# Allegro board MCU.brd (continued)
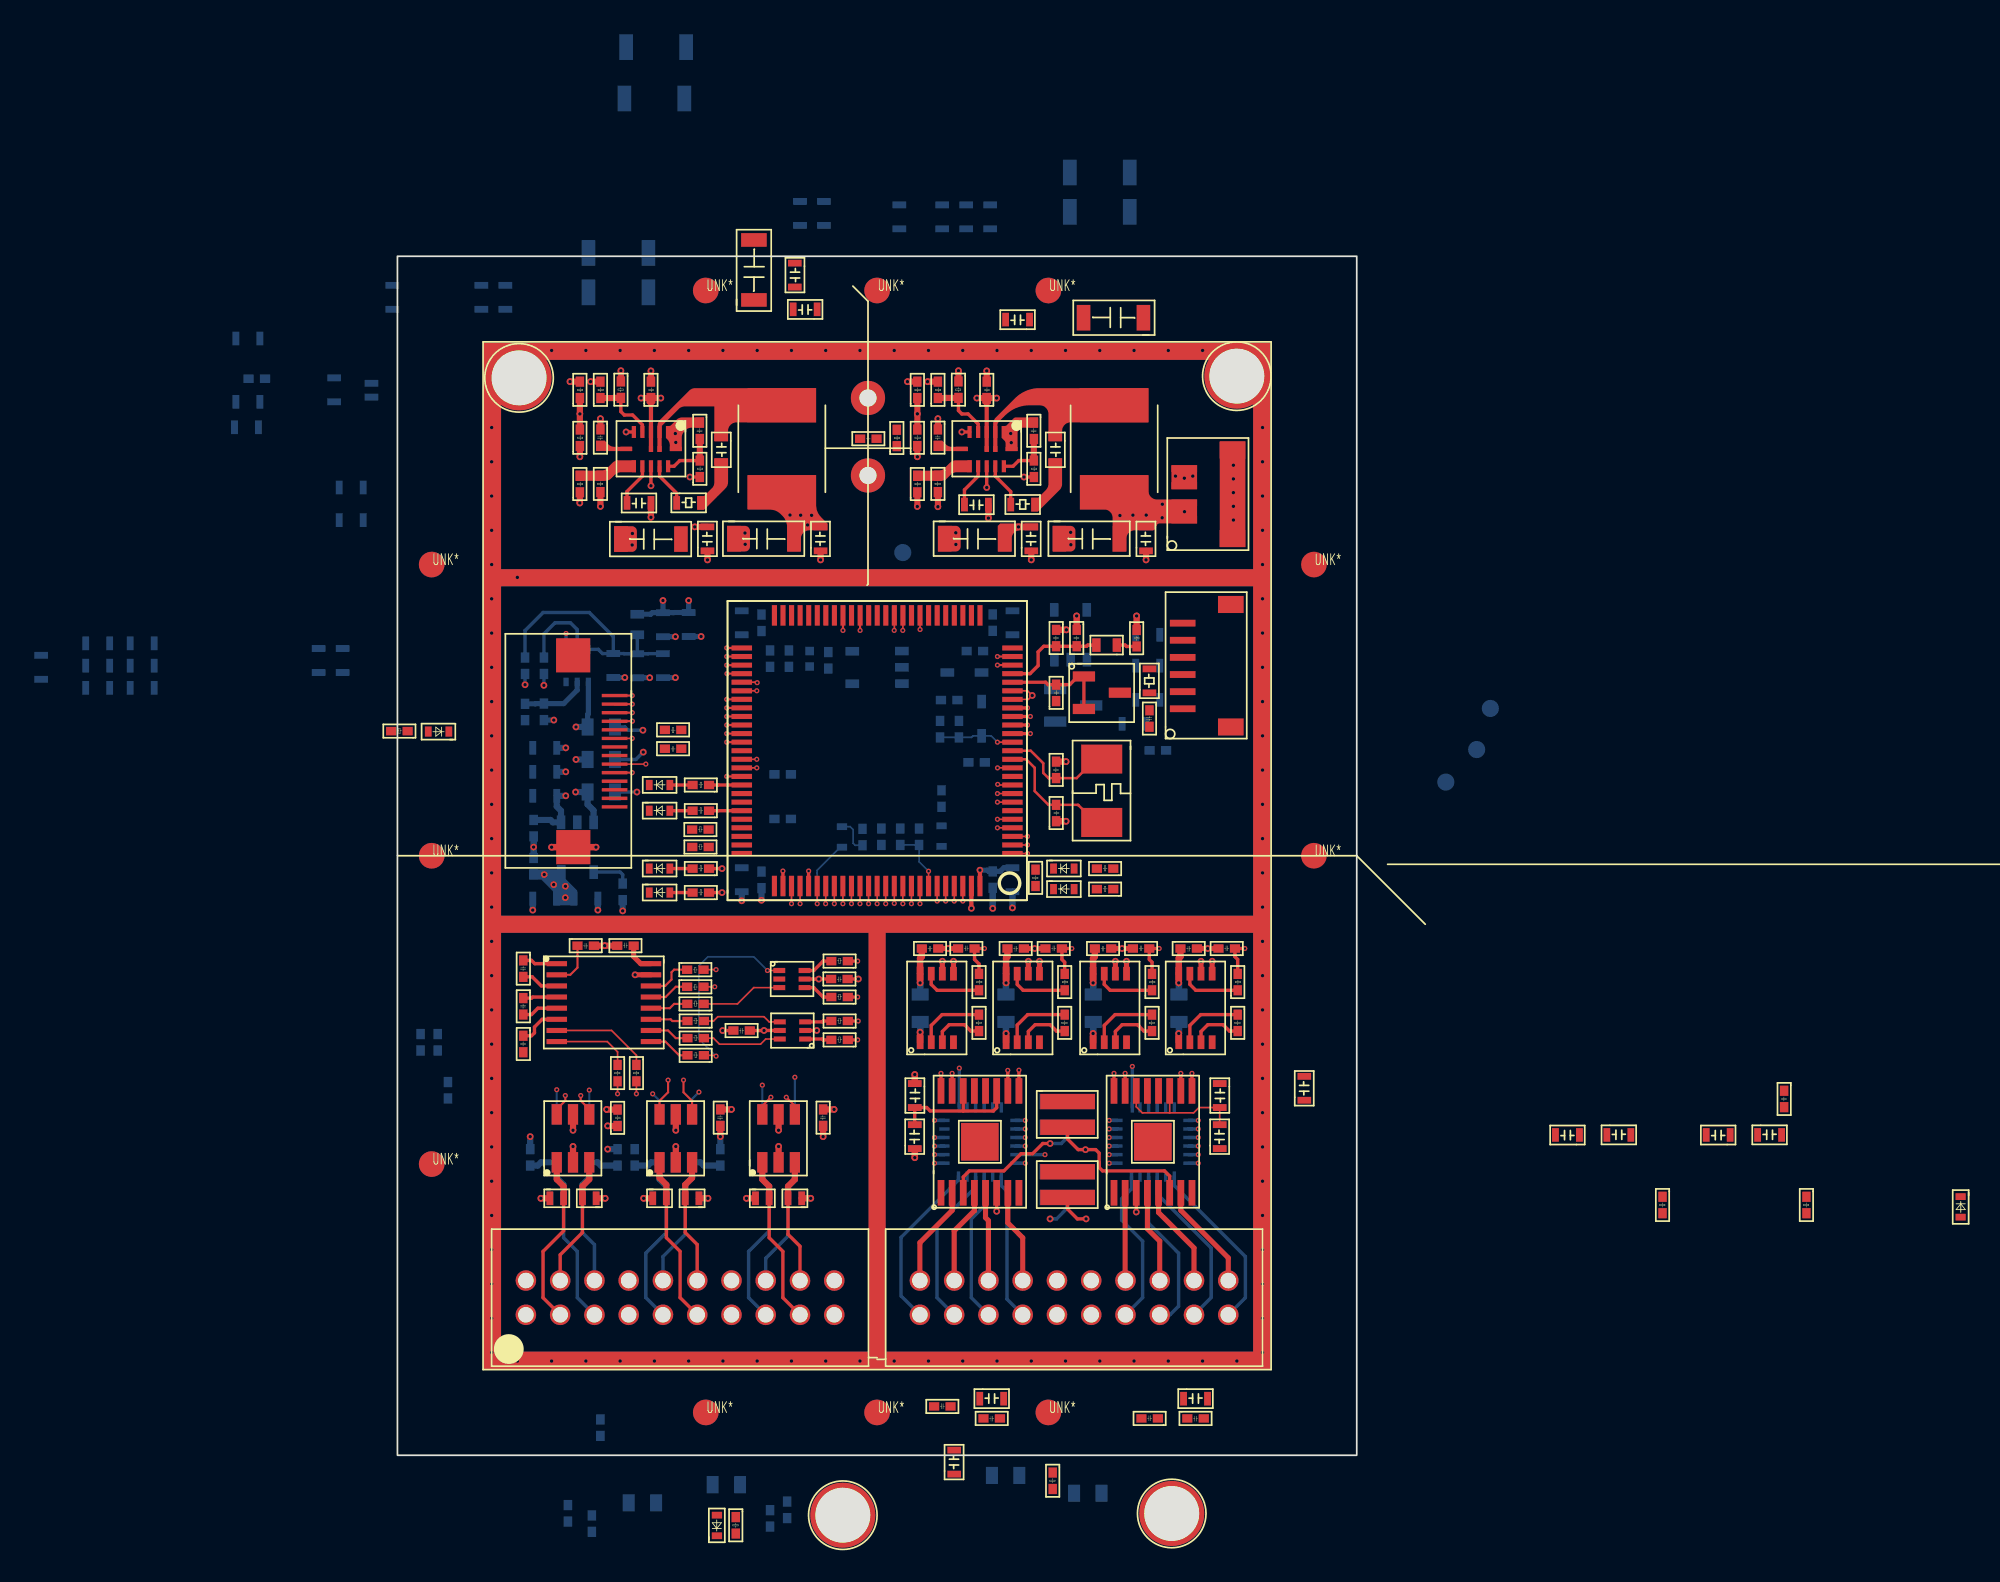
[diagram p0: board, top side]
## Nets (continued)
N8197078: C89.2 R87.2
N8197098: C89.1 L8.1 U12.2 U12.13
N8197146: R61.2 R62.1 U12.4
N8197148: R51.1 R52.2 U12.9
N8197154: C76.2 U12.8
N8197166: R70.2 R76.1 U12.7
N8197176: C85.2 R60.2 U12.11
N8197182: C70.2 U12.6
N8197194: R60.1 U12.5
N8449814: R317.2 U38.5(\PG\)
N8449940: R315.1 R316.2 U38.2
N8934237: D56.2 R379.1
N9041352: D42.2 R327.1
N9050029: R324.2 U41.3
N9050033: R346.1 U41.4
N9050041: R332.2 U41.1
N9050045: R348.1 U41.6
N9050708: R331.2 U42.4
N9050712: R334.1 U42.3
N9050720: R338.2 U42.6
N9050724: R349.1 U42.1

Pads without a net: U19 41 73; U28 16; U48 16

## Via types
v1: diameter 0.3, hole 0.15, TOP to BOTTOM, 125 vias
v2: diameter 0.4, hole 0.2, TOP to BOTTOM, 265 vias

## Routing (per net, layer and track width the routed paths; a pad name or vN(x,y) marks a point on that pad's centre or on a via; arc(x,y) is an arc through that point)
3V3_MCU: length 21.4
  TOP w0.1: U19.11 v1(35.03,40.13)
  TOP w0.2: L17.1 42.48,47.3 42.56,47.22 C162.1 ; C515.2 21.39,24.8 v2(21.4,24.8) U41.5 ; C539.1 24.61,27.8 v2(24.6,27.8) U42.5
  TOP w0.25: U19.100 v2(34,34.16)
  TOP w0.3: U47.16 14.2,28.7 13.79,29.11 C591.1
  TOP w0.36: U53.5 v2(22.25,18.97) ; v2(12.27,19.23) 12.28,19.22 C553.1 ; U50.5 v2(16.25,18.97) ; C609.2 v2(18.85,18.6) ; C610.2 v2(24.85,18.6) ; U51.5 v2(10.25,18.97)
  BOTTOM w0.3: v2(34,34.16) 34.44,34.16 34.51,34.09 C136.1 35.19,34.09 35.4,34.3 C137.1
  BOTTOM w0.36: C606.2 v2(12.27,19.23) ; U50.5 v2(16.25,18.97) ; U51.5 v2(10.25,18.97) ; C609.2 v2(18.85,18.6) R378.2 ; R189.2 v2(12.27,17.87) ; R187.2 v2(7.75,18.6) ; U53.5 v2(22.25,18.97) ; C610.2 v2(24.85,18.6)
  vias: v2(8.57,33.9) v2(9.12,33.31) v2(9.8,33.22) v2(9.8,32.56)
3V3_MCU_A: length 6.1
  TOP w0.2: L17.2 40.3,47.3 40.23,47.23 C142.2 C141.2 37.73,47.23 37.4,46.9 37.4,46.1 36.93,45.63 U19.22
5V5_MCU_IN: length 15.2
  BOTTOM w0.2: R308.2 7.45,48.15 8.5,49.2 11.2,49.2 12.6,47.8 12.6,46.8 ; C461.2 14.63,46.79 14.63,46.8 C466.2 ; C461.2 L13.2 ; C461.2 13.24,46.79 13.23,46.8 12.6,46.8 ; U38.4 v1(9.84,47.98) ; 12.6,46.8 11.97,46.8 11.73,47.05 U38.6
5V5_MCU_PWR: length 6.9
  TOP w0.36: C423.2 v2(17.36,54.2) ; R75.2 v2(11.85,55.4) ; C75.1 v2(14.8,54.76)
  BOTTOM w0.3: C437.2 14.87,49.19 14.78,49.1 L13.1 ; C437.2 v2(15.5,49.9) ; C437.2 16.13,49.19 16.14,49.2 C427.2 v2(17,49.9)
  vias: v2(22.91,54.89) v2(23.54,54.88) v2(23.94,54.31) v2(24.18,54.88)
5V_MCU: length 24.3
  TOP w0.38: v2(30.51,27.58) U45.8 30.51,29.01 30.61,29.11 C572.1 ; v2(40.61,27.58) U43.8 40.61,29.01 40.71,29.11 C570.1 ; v2(45.61,27.58) U44.8 45.61,29.01 45.71,29.11 C568.1 ; C566.1 35.61,29.11 35.53,29.03 U46.8 v2(35.53,27.58)
  BOTTOM w0.2: 8.55,45.61 v2(8.55,44.95) ; 7.45,45.61 v2(7.45,44.99)
  BOTTOM w0.3: R315.2 v2(9.13,42.92) ; U38.1 11.14,43.29 11.1,43.25 C493.2
  BOTTOM w0.36: C503.2 v2(9.83,39.9) ; C493.2 v2(10.42,42.52) ; U21.3 11.45,37.64 11.1,37.99 C495.2 v2(10.4,38.72) ; C494.2 v2(10.42,40.62) ; C488.2 v2(9.83,41.3) ; v2(9.83,38.5) C155.1 9.3,37.87 9.55,37.62 U21.1 9.07,36.95 8.93,37.09 C160.1
  BOTTOM w0.38: v2(40.61,27.58) 40.62,27.57 C654.2 ; C492.2 30.52,27.57 v2(30.51,27.58) ; C655.2 45.62,27.57 v2(45.61,27.58) ; C653.2 35.52,27.57 v2(35.53,27.58)
12V_MTR: length 1.6
  TOP w0.36: C76.1 v2(34.5,54.71) ; R76.2 v2(31.55,55.38)
  vias: v2(36.26,54.2) v2(42.17,54.86) v2(42.93,54.88) v2(43.71,54.89) v2(44.64,54.73) v2(44.65,55.52) v2(45.95,55.09)
GND: length 69.9
  TOP w0.1: U19.20 36.78,44.63 v2(37.06,44.36) 36.83,44.13 U19.19
  TOP w0.2: C539.2 v2(26.91,27.8) ; U41.2 v2(24.48,24.8) ; C515.1 v2(18.98,24.8)
  TOP w0.25: U19.99 v2(33.5,31.93)
  TOP w0.3: U47.15 v2(13.87,28.05) ; U44.6 v2(46.91,28.84) ; U44.5 v2(47.56,28.84) ; U43.5 v2(42.56,28.84) ; C568.2 v2(47.3,29.58) C571.2 ; U43.6 v2(41.91,28.84) ; U45.5 v2(32.46,28.84) ; U45.6 v2(31.81,28.84) ; U46.6 v2(36.83,28.84) ; C572.2 v2(32.15,29.58) C574.2 ; C569.2 v2(42.3,29.58) C570.2 ; U46.5 v2(37.48,28.84) ; C566.2 v2(37.2,29.58) C567.2
  TOP w0.36: R52.1 v2(30.35,58.29) ; v2(10.64,55.59) 10.64,55.68 10.65,55.68 R69.1 ; U50.2 v2(16.25,18.03) ; D44.1 v2(14.37,15) ; C607.2 v2(12.1,29.75) C591.2 ; v2(12.21,20.19) 12.22,20.18 C553.2 ; R50.1 v2(10.65,58.29) ; U51.2 v2(10.25,18.03) ; R70.1 v2(30.35,55.39) ; C69.1 v2(11.85,60.52) ; D48.1 v2(12.13,15) ; C127.1 v2(37,52.27) ; R61.1 v2(32.75,63.32) ; C609.1 v2(19.5,20.19) ; C423.1 v2(18.1,52.27) ; C79.2 v2(14.8,63.31) ; C126.1 v2(24.7,52.27) ; D52.1 v2(20.37,15) ; C610.1 v2(25.49,20.19) ; U53.2 v2(22.25,18.03) ; R58.1 v2(13.04,63.32) ; C131.1 v2(43.7,52.27) ; D45.1 v2(18.13,15) ; D53.1 v2(24.13,15) ; C80.2 v2(34.4,63.31) ; D47.1 v2(8.37,15) ; C70.1 v2(31.55,60.52)
  TOP w0.38: v2(9,35.5) J24.M2 v2(11.59,35.5) ; C162.2 v2(43.15,49) ; U43.1 v2(40.61,24.62) ; C527.1 v2(39.03,37.01) ; C166.1 v2(30.2,22.23) ; U44.1 v2(45.61,24.62) ; C167.1 v2(30.2,17.37) ; C513.1 v2(39.03,40.49) ; C141.1 v2(39.05,48.19) ; C142.1 v2(39.65,49) ; U45.1 v2(30.51,24.7) ; U46.1 v2(35.53,24.62)
  BOTTOM w0.2: C494.1 13.92,40.62 v2(14.35,41.05) ; v2(14.33,42.33) 13.47,42.33 13.28,42.52 C493.1 ; C495.1 v2(13.98,38.72)
  BOTTOM w0.3: C466.1 v2(16.23,45.4) ; C427.1 v2(17.73,47.8) ; C437.1 v2(16.23,47.79) ; C130.2 v2(13.27,45.4) ; C461.1 v2(14.73,45.39)
  BOTTOM w0.36: U53.2 v2(22.25,18.03) ; C159.2 v2(7.9,31.83) ; C139.2 v2(11.7,31.83) ; C610.1 v2(25.49,20.19) ; C606.1 v2(12.21,20.19) ; C609.1 v2(19.5,20.19) ; D45.1 v2(18.13,15) ; U51.2 v2(10.25,18.03) ; D44.1 v2(14.37,15) ; C460.1 v2(21.25,32.4) ; D52.1 v2(20.37,15) ; D48.1 v2(12.13,15) ; D47.1 v2(8.37,15) ; C157.1 v2(13.15,31.78) ; D53.1 v2(24.13,15) ; U50.2 v2(16.25,18.03) ; C189.2 v2(20.1,32.37)
  BOTTOM w0.38: C655.1 45.62,24.63 v2(45.61,24.62) ; C136.2 v2(34.75,31.93) ; C654.1 40.62,24.63 v2(40.61,24.62) ; v2(35.53,24.62) 35.52,24.63 C653.1 ; v2(30.51,24.7) 30.52,24.71 C492.1 ; C573.2 v2(7.95,35.51) C160.2 ; C137.2 v2(35.9,31.96)
  vias: v2(5.5,60) v2(5.5,58) v2(5.5,56) v2(5.5,54) v2(5.5,52) v2(5.5,50) v2(5.5,48) v2(5.5,46) v2(5.5,44) v2(5.5,42) v2(5.5,40) v2(5.5,38) v2(5.5,36) v2(5.5,34) v2(5.5,32) v2(5.5,30) v2(5.5,28) v2(5.5,26) v2(5.5,24) v2(5.5,22) v2(5.5,20) v2(5.5,18) v2(5.5,16) v2(5.5,14) v2(5.5,12) v2(5.5,10) v2(5.5,8) v2(5.5,6) v2(7,51.25) v2(7,5.5) v2(9,64.5) v2(9,5.5) v2(11,64.5) v2(11,5.5) v2(13,64.5) v2(13,5.5) v2(13.72,53.81) v2(13.71,53.14) v2(15,64.5) v2(15,5.5) v2(16.22,59.65) v2(16.25,59.13) v2(16.54,60.11) v2(17,64.5) v2(17,5.5) v2(19,64.5) v2(19,5.5) v2(20.29,53.84) v2(20.3,53.18) v2(21,64.5) v2(21,5.5) v2(23,64.5) v2(23,5.5) v2(25,64.5) v2(25,5.5) v2(27,64.5) v2(27,5.5) v2(29,64.5) v2(29,5.5) v2(31,64.5) v2(31,5.5) v2(32.59,53.85) v2(32.6,53.17) v2(33,64.5) v2(33,5.5) v2(35,64.5) v2(35,5.5) v2(35.8,59.65) v2(35.83,59.12) v2(36.14,60.11) v2(37,64.5) v2(37,5.5) v2(39,64.5) v2(39,5.5) v2(39.3,53.88) v2(39.31,53.16) v2(41,64.5) v2(41,5.5) v2(43,64.5) v2(43,5.5) v2(45,64.5) v2(45,5.5) v2(45.42,57.16) v2(45.94,57.04) v2(46.43,57.16) v2(47,64.5) v2(47,5.5) v2(48.8,57.8) v2(48.8,57) v2(48.8,56.2) v2(48.8,55.4) v2(48.8,54.6) v2(49,5.5) v2(50.5,60) v2(50.5,58) v2(50.5,56) v2(50.5,54) v2(50.5,52) v2(50.5,50) v2(50.5,48) v2(50.5,46) v2(50.5,44) v2(50.5,42) v2(50.5,40) v2(50.5,38) v2(50.5,36) v2(50.5,34) v2(50.5,32) v2(50.5,30) v2(50.5,28) v2(50.5,26) v2(50.5,24) v2(50.5,22) v2(50.5,20) v2(50.5,18) v2(50.5,16) v2(50.5,14) v2(50.5,12) v2(50.5,10) v2(50.5,8) v2(50.5,6)
VBAT_IN: length 4.6
  TOP w0.36: v2(34.98,61.72) C80.1 v2(33.82,61.72) ; v2(15.38,61.72) C79.1 v2(14.22,61.72) ; R59.2 v2(11.27,62.68) ; R62.2 v2(30.95,62.68) ; R51.2 v2(29.77,62.68) ; R49.2 v2(10.07,62.68)
BOOT0: length 3.7
  TOP w0.1: U19.94 v1(31,34.1)
  BOTTOM w0.1: v1(31,34.1) 30.45,34.65 R343.2 R344.2
ENC1_A: length 10
  BOTTOM w0.2: D50.2 21.7,13.1 20.5,11.9 20.5,9.2 J22.8
  BOTTOM w0.36: D50.2 21.7,15.71 21.3,16.11 U52.3
ENC1_A_BUF: length 36.9
  TOP w0.127: v1(35.02,46.63) U19.24
  SIGNAL-L7 w0.127: v1(21.3,21.6) 21.64,21.6 22.1,22.06 22.1,33 23.03,33.93 23.03,36.3 26.18,39.45 26.18,43.59 29.22,46.63 v1(35.02,46.63)
  BOTTOM w0.127: v1(21.3,21.6) U52.4
ENC1_B: length 7.6
  BOTTOM w0.2: J22.13 21.5,11.5 22.8,12.8 D49.2
  BOTTOM w0.36: D49.2 22.8,15.71 23.2,16.11 U52.1
ENC1_B_BUF: length 35.7
  TOP w0.127: U19.23 v1(35.02,46.13)
  SIGNAL-L7 w0.127: v1(23.2,22.07) 22.5,22.77 22.5,32.92 23.47,33.9 23.47,35.88 26.88,39.29 26.88,43.28 29.73,46.13 v1(35.02,46.13)
  BOTTOM w0.127: v1(23.2,22.07) U52.6
ENC2_A: length 7.4
  TOP w0.2: J22.12 23.5,12.2 22.8,12.9 D53.2
  TOP w0.36: D53.2 22.8,15.7 23.2,16.1 U53.3
ENC2_A_BUF: length 17.8
  TOP w0.1: U19.91 v1(29.5,32.2)
  TOP w0.127: v1(22.7,20.9) 23.2,20.4 U53.4
  SIGNAL-L7 w0.1: v1(22.7,20.9) 23.05,21.25 25.58,21.25 29.5,25.18 v1(29.5,32.2)
ENC2_B: length 9.8
  TOP w0.2: D52.2 21.7,12.7 22.5,11.9 22.5,9.2 J22.9
  TOP w0.36: D52.2 21.7,15.7 21.3,16.1 U53.1
ENC2_B_BUF: length 17.9
  TOP w0.1: U19.90 v1(29,32.22)
  TOP w0.127: U53.6 21.3,20.4 v1(21.8,20.9)
  SIGNAL-L7 w0.1: v1(21.8,20.9) 22.45,21.55 24.86,21.55 29,25.7 v1(29,32.22)
ENC3_A: length 7.4
  TOP w0.2: D45.2 16.8,13 17.5,12.3 J22.15
  TOP w0.36: U50.3 17.2,16.19 16.8,15.79 D45.2
ENC3_A_BUF: length 25.9
  TOP w0.127: U19.60 v1(19.22,42.63) ; U50.4 17.2,20.69 16.7,21.19 v1(16.7,21.9)
  SIGNAL-L3 w0.127: v1(16.7,21.9) 16.01,22.59 16.01,29.72 17.12,30.83 17.12,41.29 18.46,42.63 v1(19.22,42.63)
ENC3_B: length 9.8
  TOP w0.2: D44.2 15.7,12.7 16.5,11.9 16.5,9.2 J22.6
  TOP w0.36: D44.2 15.7,15.79 15.3,16.19 U50.1
ENC3_B_BUF: length 26.6
  TOP w0.127: U50.6 15.3,20.69 15.8,21.19 v1(15.8,21.9) ; U19.59 v1(19.22,43.13)
  SIGNAL-L3 w0.127: v1(15.8,21.9) 15.45,22.25 15.45,29.99 16.48,31.02 16.48,41.4 18.21,43.13 v1(19.22,43.13)
ENC4_A: length 7.6
  TOP w0.2: J22.19 9.5,11.7 10.8,13 D48.2
  TOP w0.36: D48.2 10.8,15.71 11.2,16.11 U51.3
ENC4_A_BUF: length 43.6
  TOP w0.127: U19.42 v1(26.01,48.16) ; U51.4 11.2,20.2 10.7,20.7 v1(10.7,21)
  SIGNAL-L7 w0.127: v1(26.01,48.16) 25.1,47.25 21.65,47.25 20.5,48.4 15.3,48.4 10.7,43.8 10.7,42.89 10.91,42.68 10.91,42.36 10.7,42.15 10.7,41.07 10.99,40.78 10.99,40.46 10.7,40.17 10.7,39.25 10.79,39.16 10.79,38.56 10.7,38.47 10.7,34.43 10.73,34.4 10.73,31.92 10.7,31.89 v1(10.7,21)
ENC4_B: length 10
  TOP w0.2: J22.2 8.5,9.2 8.5,11.9 9.7,13.1 D47.2
  TOP w0.36: U51.1 9.3,16.11 9.7,15.71 D47.2
ENC4_B_BUF: length 46.8
  TOP w0.127: U19.40 v1(27.01,48.16) ; U51.6 9.3,20.2 9.8,20.7 v1(9.8,21)
  SIGNAL-L7 w0.127: v1(27.01,48.16) 26.56,48.6 25.21,48.6 24.68,48.07 21.33,48.07 20.1,49.3 15.4,49.3 9.8,43.7 9.8,42.35 9.71,42.26 9.71,41.86 9.31,41.46 9.31,41.14 9.71,40.74 9.71,40.46 9.31,40.06 9.31,39.74 9.61,39.44 9.61,38.86 9.41,38.66 9.41,38.34 9.71,38.04 9.71,37.74 9.8,37.65 9.8,34.97 10.48,34.29 10.48,32.02 9.8,31.35 v1(9.8,21)
LIMIT_SW1: length 30.1
  TOP w0.127: U19.57 v1(19.22,44.13)
  SIGNAL-L3 w0.127: v1(19.22,44.13) 17.76,44.13 15.45,41.82 15.45,41.71 15.24,41.5 15.24,32.56 12.68,29.99 12.68,25.14 9.3,21.76 v1(9.3,21.34)
  BOTTOM w0.127: U31.4 v1(9.3,21.34)
LIMIT_SW2: length 28.7
  TOP w0.127: v1(19.22,43.63) U19.58
  SIGNAL-L3 w0.127: v1(19.22,43.63) 17.94,43.63 15.88,41.57 15.88,32.21 13.37,29.7 13.37,24.61 11.2,22.45 v1(11.2,21.32)
  BOTTOM w0.127: U31.6 v1(11.2,21.32)
LIMIT_SW3: length 26.9
  TOP w0.127: U19.61 v1(19.22,42.13)
  SIGNAL-L3 w0.127: v1(19.22,42.13) 18.71,42.13 17.84,41.27 17.84,30.7 16.6,29.46 16.6,23 17.2,22.4 17.2,21.6 16.94,21.34 15.14,21.34 v1(14.9,21.1)
  BOTTOM w0.127: v1(14.9,21.1) 15.3,20.7 U25.4
LIMIT_SW4: length 24.1
  TOP w0.127: v1(19.22,41.63) U19.62
  SIGNAL-L3 w0.127: v1(17.6,21.2) 17.6,22.7 17,23.3 17,28.88 18.33,30.22 18.33,41.08 18.88,41.63 v1(19.22,41.63)
  BOTTOM w0.127: U25.6 17.2,20.8 v1(17.6,21.2)
LSW1: length 11.4
  BOTTOM w0.2: J22.3 10.5,9.2 10.5,11.9 9.7,12.7 D22.2
  BOTTOM w0.36: R187.1 8.19,16.91 8.38,17.1 U31.3 9.3,16.19 9.7,15.79 D22.2
LSW2: length 9.1
  BOTTOM w0.2: D25.2 10.8,13 11.5,12.3 J22.18
  BOTTOM w0.36: D25.2 10.8,15.79 11.2,16.19 U31.1 11.69,17.1 11.88,16.91 R189.1
LSW3: length 11.5
  BOTTOM w0.2: J22.5 14.5,9.2 14.5,11.8 15.7,13 D54.2
  BOTTOM w0.36: D54.2 15.7,15.71 15.3,16.11 U25.3 14.81,17.1 14.62,16.91 R377.1
LSW4: length 9.3
  BOTTOM w0.2: J22.16 15.5,11.6 16.8,12.9 D55.2
  BOTTOM w0.36: D55.2 16.8,15.79 17.2,16.19 U25.1 17.69,17.1 17.88,16.91 R378.1
M1_DRV+: length 5.9
  TOP w0.3: J23.20 30.5,12.41 32.38,14.29 U26.2
M1_DRV-: length 5.6
  TOP w0.3: J23.19 32.5,13.1 33.68,14.28 U26.4
M1_I_ADC: length 33.5
  TOP w0.2: R339.2 38.95,28.78 38.79,28.94 C567.1 v1(39.37,29.58) ; U19.16 v1(36.78,42.63)
  SIGNAL-L3 w0.15: v1(39.37,29.58) 40.58,30.79 46.72,30.79 48.02,32.1 48.02,40.97 46.37,42.63 v1(36.78,42.63)
M1_PWM+: length 2.1
  TOP w0.1: U19.64 v1(20.98,40.63)
  TOP w0.2: U26.10 v1(35.63,22.47)
M1_PWM-: length 31.3
  TOP w0.1: U19.35 29.51,48.16 v1(29.5,48.16)
  TOP w0.2: U26.9 v1(36.28,22.48)
  SIGNAL-L8 w0.1: v1(36.28,22.48) 33.6,25.16 33.6,29.41 31.45,31.56 31.45,31.95 31.18,32.22 31.18,32.61 31.45,32.88 31.45,33.43 31.89,33.87 31.89,34.01 31.8,34.09 31.8,34.37 32,34.56 32,45 29.5,47.5 v1(29.5,48.16)
M2_DRV+: length 5.5
  TOP w0.3: U26.7 35.63,13.57 36.5,12.7 J23.17
M2_DRV-: length 5.2
  TOP w0.3: U26.5 34.33,13.87 34.5,13.7 J23.18
M2_I_ADC: length 36.6
  TOP w0.2: R342.2 33.95,28.68 33.69,28.94 C574.1 v1(34.27,29.58) ; U19.15 v1(36.95,42.13)
  SIGNAL-L3 w0.15: v1(34.27,29.58) 35.97,31.29 46.1,31.29 47.31,32.5 47.31,40.64 45.82,42.13 v1(36.95,42.13)
M2_PWM+: length 1.9
  TOP w0.1: U19.65 v1(20.98,40.13)
  TOP w0.2: U26.16 v1(31.73,22.3)
M2_PWM-: length 29.5
  TOP w0.1: U19.36 29.01,48.16 v1(29,48.16)
  TOP w0.2: U26.15 v1(32.38,22.3)
  SIGNAL-L8 w0.1: v1(32.38,22.3) 32.38,25.62 31.1,26.9 31.1,31.97 30.95,32.12 30.95,32.71 31.1,32.86 31.1,33.73 31.33,33.96 31.33,34.23 31.1,34.46 31.1,45 29,47.1 v1(29,48.16)
M3_DRV+: length 5.1
  TOP w0.3: U27.2 42.48,10.35 42.5,10.33 J23.14
M3_DRV-: length 5.4
  TOP w0.3: J23.13 44.5,12.5 43.78,13.22 U27.4
M3_I_ADC: length 28.5
  TOP w0.2: v1(49.47,29.58) C571.1 48.89,29.11 49.05,28.95 R341.2 ; U19.18 v1(36.78,43.63)
  SIGNAL-L3 w0.15: v1(49.47,29.58) 49.47,41.57 47.41,43.63 v1(36.78,43.63)
M3_PWM+: length 1
  TOP w0.2: U27.16 v1(41.83,22.3)
M3_PWM-: length 1
  TOP w0.2: U27.15 v1(42.48,22.3)
M4_DRV+: length 6.3
  TOP w0.3: U27.7 45.73,14.29 48.5,11.52 J23.11
M4_DRV-: length 6
  TOP w0.3: J23.12 46.5,12.1 44.43,14.17 U27.5
M4_I_ADC: length 30.5
  TOP w0.2: U19.17 v1(36.95,43.13) ; v1(44.47,29.58) C569.1 43.89,28.94 44.05,28.78 R340.2
  SIGNAL-L3 w0.15: v1(36.95,43.13) 46.89,43.13 48.7,41.32 48.7,31.47 47.63,30.39 45.28,30.39 v1(44.47,29.58)
M4_PWM+: length 1
  TOP w0.2: U27.9 v1(46.38,22.3)
M4_PWM-: length 1
  TOP w0.2: U27.10 v1(45.73,22.3)
MCU_LED1: length 1.9
  TOP w0.2: U19.70 18.72,37.63 18.72,37.63 R144.1
MCU_LED2: length 1.9
  TOP w0.2: U19.67 18.72,39.13 18.72,39.13 R140.1
MCU_LED3: length 5.5
  TOP w0.2: U19.77 22.5,34.1 22.5,34.1 v1(22.5,34.11) ; R150.1 v2(18.95,34.25)
  SIGNAL-L4 w0.2: v1(22.5,34.11) 22.23,33.84 19.79,33.84 19.38,34.25 v2(18.95,34.25)
MCU_LED4: length 7.2
  TOP w0.2: R145.1 v2(18.95,32.85) ; v1(24,34.11) U19.80
  SIGNAL-L4 w0.2: v1(24,34.11) 23.41,34.11 22.6,33.3 19.4,33.3 v2(18.95,32.85)
MCU_RST_CPU: length 22.5
  TOP w0.1: U19.33 v1(30.51,48.21) ; v1(13.71,41.85) 12.68,41.85
  SIGNAL-L4 w0.1: v1(13.71,41.85) 16.15,41.85 19.8,45.5 29.8,45.5 30.51,46.21 v1(30.51,48.21)
MCU_RST_FPGA: length 7.5
  TOP w0.127: v1(19.22,39.63) U19.66 ; 12.68,39.85 v1(13.71,39.85)
  SIGNAL-L4 w0.127: v1(19.22,39.63) 18.88,39.63 18.66,39.85 v1(13.71,39.85)
MCU_SPI2_MISO: length 8.6
  TOP w0.127: U19.53 20.09,46.13 v1(19.22,46.13) ; 12.68,43.35 v1(13.71,43.35)
  SIGNAL-L3 w0.127: v1(19.22,46.13) 17.97,46.13 15.19,43.35 v1(13.71,43.35)
MCU_SPI2_MOSI: length 8.6
  TOP w0.127: v1(13.71,42.86) 12.69,42.86 12.68,42.85 ; U19.54 v1(19.24,45.63)
  SIGNAL-L3 w0.127: v1(13.71,42.86) 15.51,42.86 18.28,45.63 v1(19.24,45.63)
MCU_SPI2_NSS: length 9.5
  TOP w0.127: 12.68,44.35 v1(13.71,44.35) ; v1(19.22,47.13) U19.51
  SIGNAL-L3 w0.127: v1(13.71,44.35) 14.79,44.35 15.21,44.78 15.21,46.29 16.06,47.13 v1(19.22,47.13)
MCU_SPI2_SCK: length 9.3
  TOP w0.127: v1(13.71,43.85) 12.68,43.85 ; U19.52 v1(19.22,46.63)
  SIGNAL-L3 w0.127: v1(13.71,43.85) 14.77,43.85 15.65,44.73 15.65,46 16.28,46.63 v1(19.22,46.63)
MCU_UART3_RXD: length 30.3
  TOP w0.1: v1(20.98,44.63) U19.56
  TOP w0.2: R331.1 v1(26.87,26.75)
  SIGNAL-L8 w0.1: v1(20.98,44.63) 22.97,44.63 24.8,42.8 24.8,39.9 20.7,35.8 20.7,31.6 20.1,31 20.1,27.6 20.4,27.3 26.32,27.3 v1(26.87,26.75)
MCU_UART3_TXD: length 30.8
  TOP w0.1: v1(21,45.1) 20.9,45.1 20.87,45.13 U19.55
  TOP w0.2: R324.1 v1(26.9,25.35)
  SIGNAL-L8 w0.1: v1(21,45.1) 23.5,45.1 25.4,43.2 25.4,39.6 21.3,35.5 21.3,33.1 22.1,32.3 22.1,31.2 23.5,29.8 24.5,29.8 24.7,29.6 27,29.6 27.31,29.29 27.31,25.76 v1(26.9,25.35)
MCU_UART4_RXD: length 7.1
  TOP w0.1: U19.79 v1(23.5,32.2)
  TOP w0.2: R338.1 v1(26.87,28.85)
  SIGNAL-L7 w0.1: v1(23.5,32.2) 23.5,31.87 24.58,30.8 25.8,30.8 26.87,29.73 v1(26.87,28.85)
MCU_UART4_TXD: length 11.7
  TOP w0.1: U19.78 v1(23,32.2)
  TOP w0.2: v1(26.87,24.25) R332.1
  SIGNAL-L7 w0.1: v1(26.87,24.25) 26.87,24.63 26.1,25.4 26.1,29.4 25.4,30.1 24.4,30.1 23,31.5 v1(23,32.2)
NFAULT34: length 0.9
  TOP w0.1: U19.9 35.08,39.13 v1(35.04,39.17)
NRST_MCU: length 27.3
  TOP w0.1: 12.68,40.35 v1(14.5,40.35) ; U19.14 v1(35.02,41.63)
  SIGNAL-L4 w0.1: v1(35.02,41.63) 20.93,41.63 20.7,41.4 19.6,41.4 18.55,40.35 v1(14.5,40.35)
  BOTTOM w0.1: v1(35.02,41.63) 34.66,42 D40.2 33.6,42 33.51,41.91 R323.2 C504.2